# Altium PCB ipg_wearable.PcbDoc (part 2 of 2)
Units mm, origin at the board's own origin, x right, y up, seen from the top; angles counter-clockwise.
Board outline 60.5 x 38.75 mm, 4 copper layers (Top Layer, Int1 (GND), Int2 (PWR), Bottom Layer), stack 1.56 mm thick; 134 components, 126 nets, 508 pads, 196 vias.
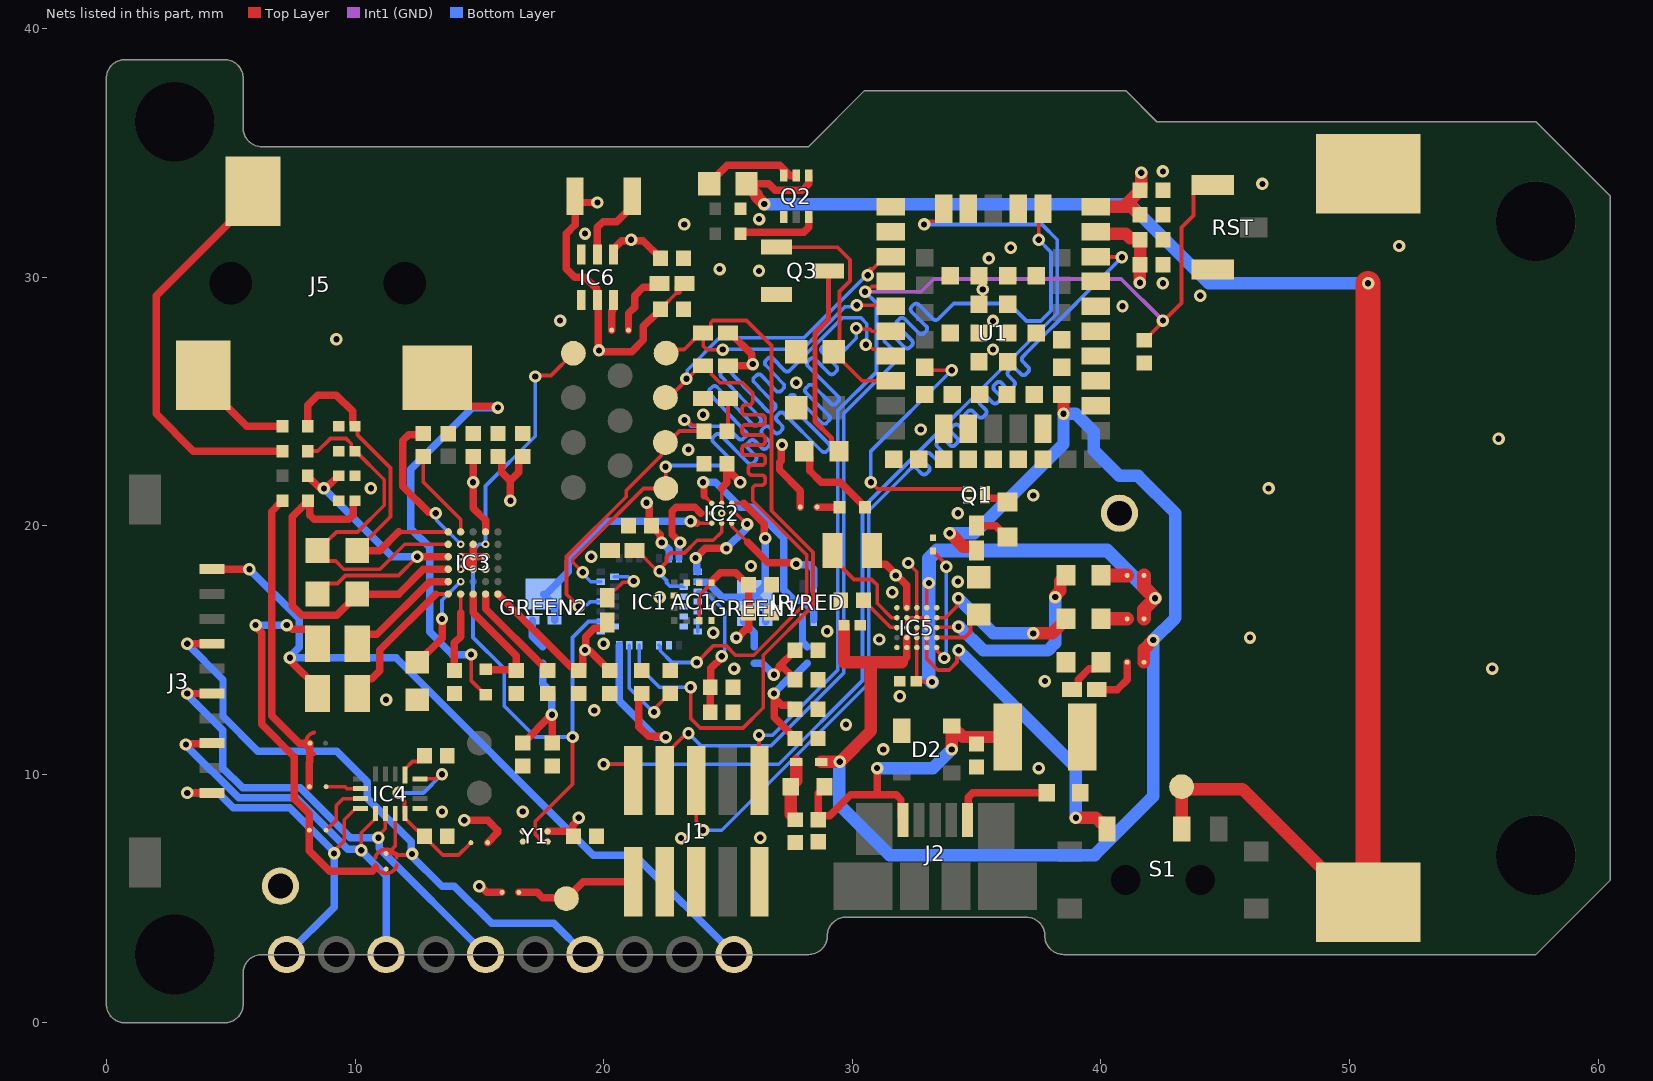
[diagram p4: the nets of this part, all layers, seen from the top]

## Via types
v1: diameter 0.5, hole 0.25, Top Layer to Bottom Layer, tented both sides, 187 vias
v2: diameter 0.305, hole 0.152, Top Layer to Bottom Layer, tented both sides, 9 vias

## Nets (pads, with @x,y where several pads share a name; then routed paths per layer and width w, separated by ;. In a path a pad name is that pad's centre, name@x,y a point inside that pad or via, vN(x,y) a via of type N, cw(c..) or ccw(c..) an arc to the next point about the centre after c; other vN are vias at no path point) (continued)
DRVN1: DB2.2 IC4.11 J3.4 pad.8 | length 26.4
  Top Layer w0.15: DB2.2@11.25,6.812 11.603,6.812 11.645,6.812 11.707,6.75 12.25,6.75 v1(12.296,6.796) ; 11.443,6.943 11.618,7.118 IC4.11@11.618,8.419
  Top Layer w0.3: v1(3.25,15.25) J3.4@4.25,15.25
  Bottom Layer w0.3: v1(3.25,15.25) 4.69,13.81 4.69,12.327 6.092,10.925 9.269,10.925 10.5,9.694 10.5,9.043 12.258,7.285 12.258,6.835 v1(12.296,6.796) ; v1@12.25,6.75 13.5,5.5 14,5.5 15.5,4 18,4 pad.8@19.25,2.75
DRVN2: IC4.10 J3.6 pad.6 | length 19.6
  Top Layer w0.15: v1(10.943,7.443) 10.943,7.538 11.218,7.813 IC4.10@11.218,8.419
  Top Layer w0.3: v1(3.25,13.25) J3.6@4.25,13.25
  Bottom Layer w0.3: v1(3.25,13.25) 3.25,13.201 4.687,11.764 4.687,10.25 5.481,9.456 7.794,9.456 9.807,7.443 v1(10.943,7.443) 10.981,7.405 10.981,7.019 pad.6@15.25,2.75
DRVN3: IC4.9 J3.8 pad.4 | length 16.2
  Top Layer w0.15: v1(10.25,6.943) 10.25,7.652 10.793,8.194 10.793,8.394 IC4.9@10.818,8.419
  Top Layer w0.3: v1(3.197,11.197) 3.223,11.223 4.223,11.223 J3.8@4.25,11.25
  Bottom Layer w0.3: v1(3.197,11.197) 3.197,11.175 5.315,9.056 7.628,9.056 9.703,6.981 10.212,6.981 v1(10.25,6.943) 10.25,6.917 11.25,5.917 pad.4@11.25,2.75
DRVN4: IC4.8 J3.10 pad.2 | length 15.2
  Top Layer w0.15: v1(9.159,6.819) 9.159,6.909 9.567,7.317 9.567,8.169 9.993,8.594 10.193,8.594 IC4.8@10.218,8.619
  Top Layer w0.3: v1(3.25,9.25) J3.10@4.25,9.25
  Bottom Layer w0.3: v1(3.25,9.25) 4.5,9.25 5.094,8.656 7.375,8.656 9.059,6.973 9.159,6.873 v1(9.159,6.819) 9.159,4.659 pad.2@7.25,2.75
DRVP: C37.1 J3.1 pad.11 | length 30.7
  Top Layer w0.3: J3.1@4.25,18.25 v1(5.75,18.25) ; v1(7.382,14.685) 7.42,14.646 7.42,14.544 8.49,13.474 C37.1@8.49,13.249
  Bottom Layer w0.3: v1(5.75,18.25) 7.75,16.25 7.75,15.106 7.42,14.777 7.42,14.699 v1@7.435,14.685 ; v1(7.382,14.685) v1@7.435,14.685 ; pad.11@25.25,2.75 21.25,6.75 19.584,6.75 11.649,14.685 v1@7.435,14.685
ECGN: J5.1 R8.1 | length 4.2
  Top Layer w0.3: J5.1@3.9,26.05 3.9,25.75 5.65,24 R8.1@7.078,24
ECGP: J5.3 R7.1 | length 16.3
  Top Layer w0.3: J5.3@5.9,33.45 5.9,33.15 2,29.25 2,24.5 3.5,23 R7.1@7.078,23
FCLK: FCLK.1 IC1.8 IC3.D5 Y1.2 | length 30.7
  Top Layer w0.15: v1(17.25,26) 17.288,26.038 17.884,26.038 FCLK.1@18.782,26.936 ; Y1.2@17.75,7.295 17.545,7.295 17.245,7.595 17.245,8.093 18.75,9.598 v1(18.75,11.5)
  Bottom Layer w0.15: v1(17.25,26) 17.25,23.599 15.25,21.599 v2(15.25,19.25) v2(15.25,19.25) 14.999,19.249 14.75,19 14.75,15.5 16,14.25 16,12.75 17.25,11.5 v1(18.75,11.5) 18.75,15.5 19.395,16.145 IC1.8@19.882,16.145
GND: AC1.4 AC1.8 AC1.9 AC1.11 BT.NEG C1.1 C2.1 C3.1 C4.1 C5.1 C6.1 C7.1 C8.1 C9.1 C10.1 C11.1 C12.1 C13.1 C14.1 C15.1 C16.1 C18.1 C19.1 C20.1 C21.1 C22.1 C23.1 C24.1 C25.1 C26.1 C29.1 C30.1 C31.1 C32.1 C34.1 C36.1 C38.1 C39.1 C40.1 C41.1 C42.1 C43.1 C44.1 C45.1 C46.1 C47.1 C48.1 C49.1 C50.1 D2.1 FB2.2 IC1.2 IC1.7 IC1.23 IC1.24 IC1.29 IC1.30 IC1.31 IC1.32 IC1.33 IC2.B2 IC3.B3 IC3.B4 IC3.C3 IC3.C4 IC3.C5 IC3.D4 IC4.13 IC5.A1 IC5.A5 IC5.B3 IC5.B4 IC5.C4 IC5.C5 IC5.D3 IC5.D4 IC5.E5 IC6.3 IC6.4 J1.3 J1.5 J1.9 pad.12@40.75,20.5 Q1.2 Q2.1 Q3.2 R5.1 R6.1 R11.1 R13.1 R18.1 R19.1 R20.1 RST.1 RT1.1 U1.6 U1.12 U1.14 U1.26 U1.30 U1.53 U1.56 U1.57 U1.58 U1.59 U1.60 U1.61 U1.62 U1.63 U1.64 U1.65 U1.66 U1.67 USB.1 Y1.1 Y1.4 | length 7
  Top Layer w0.15: IC5.B3@32.2,15.9 IC5.B4@32.2,16.3 IC5.C4@32.6,16.3 ; v1(32.25,18.5) 32.6,18.15 IC5.C5@32.6,16.7 IC5.C4@32.6,16.3 ; IC5.D3@33,15.9 IC5.D4@33,16.3 IC5.C4@32.6,16.3
  Top Layer w0.3: v2(14.25,18.25) 14.5,18.5 ; v2(14.25,18.75) IC3.C4@14.75,18.75 ; IC3.C5@14.75,19.25 IC3.C4@14.75,18.75 ; v2(15.25,18.75) IC3.C4@14.75,18.75 ; 14.5,18.5 IC3.C4@14.75,18.75 ; 14.5,18.5 IC3.C3@14.75,18.25 IC3.C4@14.75,18.75
  other v1: 23.115,7.433 26.301,7.449 13.5,8.5 16.75,8.5 37.5,10.25 31.25,11 29.75,12 19.621,12.571 11.25,13 31.918,13.138 37.75,13.75 25.25,14.25 55.75,14.25 20,15.25 31.088,15.421 46,15.5 24.41,15.691 28.988,15.75 22.25,17.12 31.609,17.318 34.25,17.75 25.929,18.378 19.5,18.75 34.25,20.5 37.283,21.217 10.637,21.503 46.75,21.5 23.409,23.059 56,23.5 32.757,23.868 24.001,24.465 27.75,25.75 35.662,27.088 9.25,27.5 35.662,28.235 18.25,28.25 40.871,28.827 44,29.25 35.25,29.5 42.5,29.75 26.25,30.25 24.666,30.322 35.5,30.75 36.376,31.179 52,31.25 19.25,31.75 23.244,32.12 26.253,32.331 46.5,33.75 42.5,34.25
  other v2: 24.75,20.5
GREEN1: GREEN1.1 GREEN1.3 IC1.21 IC2.C1 | length 8.6
  Top Layer w0.15: IC2.C1@25.15,20.9 25.64,20.9
  Top Layer w0.3: 25.64,20.9 26.462,20.079 26.462,19.538 v1(26.5,19.5)
  Bottom Layer w0.3: IC1.21@23.782,17.745 23.807,17.72 24.166,17.72 24.773,17.114 26.001,17.114 GREEN1.3@26.082,17.195 ; v1(26.5,19.5) 26.5,17.613 GREEN1.3@26.082,17.195 ; GREEN1.1@26.527,16.145 26.527,16.75 GREEN1.3@26.082,17.195
GREEN2: GREEN2.1 GREEN2.3 IC2.A3 | length 9.5
  Top Layer w0.15: 23.75,20.1 IC2.A3@24.35,20.1
  Top Layer w0.3: v1(23.5,20.175) 23.538,20.137 23.713,20.137 23.75,20.1
  Bottom Layer w0.3: GREEN2.1@18.027,16.195 18.027,16.8 GREEN2.3@17.582,17.245 17.682,17.245 18.581,18.144 18.581,18.581 20.175,20.175 v1(23.5,20.175)
IR: IC2.C3 IR/RED.4 | length 9.1
  Top Layer w0.15: 24.038,21.212 IC2.C3@24.35,20.9
  Top Layer w0.3: v1(24,21.75) 24.038,21.712 24.038,21.212
  Bottom Layer w0.3: v1(24,21.75) 24.5,21.75 25.5,20.75 26,20.75 27.25,19.5 27.25,17.426 27.676,17 27.983,17 28.451,16.533 IR/RED.4@28.451,16.22
LOW_BATT: Q3.1 R19.2 U1.23 | length 9.9
  Top Layer w0.15: Q3.1@26.95,31.205 29.401,31.205 29.912,30.694 29.912,29.844 29.488,29.42 29.488,27.238 R19.2@29.25,27 29.25,26.975 30.4,25.825 U1.23@31.55,25.825
MCU_LED: Q1.1 U1.41 | length 11
  Top Layer w0.15: v1(30.75,21.75) 31.025,21.475 Q1.1@34.65,21.475 ; U1.41@32.925,26.375 33.05,26.25 v1(34,26.25)
  Bottom Layer w0.15: v1(30.75,21.75) 30.75,23 v1(34,26.25)
Net5V_EN_1: 5V_EN.1 IC6.6 | length 1.3
  Top Layer w0.3: 5V_EN.1@20.325,27.865 20.325,28.622 20.375,28.672 20.375,29.06 IC6.6@20.4,29.085
Net5V_EN_2: 5V_EN.2 R14.2 | length 2.7
  Top Layer w0.3: 5V_EN.2@21.001,27.865 21.001,28.54 21.25,28.789 21.25,29.25 21.6,29.6 22.1,29.6 R14.2@22.25,29.75
NetC9_2: C9.2 IC1.5 | length 4.1
  Top Layer w0.15: v1(22.029,12.5) 22.096,12.567 22.096,12.684 22.662,13.25 C9.2@22.672,13.25
  Bottom Layer w0.15: IC1.5@21.032,15.195 21.032,13.468 22,12.5 v1(22.029,12.5)
NetC17_1: C17.1 R6.2 | length 1.3
  Top Layer w0.15: C17.1@24.961,23.805 25.001,23.845 R6.2@25.001,25.113
NetC26_2: C26.2 C28.2 IC3.A5 R7.2 | length 14.5
  Top Layer w0.15: R7.2@8.102,23 8.5,23 9.009,23.509 9.636,23.509 9.845,23.3 9.845,23.135 9.98,23 10.02,23 11.175,21.845 11.175,20.824 10.101,19.75 9.25,19.75 8.925,19.425 8.89,19.425 8.49,19.025 8.49,18.975 8.89,18.575 9.225,18.575 9.55,18.25 11,18.25 12,19.25 IC3.A5@13.75,19.25
NetC27_1: C27.1 IC3.B5 | length 5.9
  Top Layer w0.3: C27.1@12.75,23.71 12.706,23.666 12.166,23.666 11.911,23.411 11.911,21.589 12.962,20.538
  Bottom Layer w0.15: v1(13.25,20.5) 13.288,20.462 13.288,20.212 v2(14.25,19.25)
NetC27_2: C27.2 IC3.B6 | length 3.7
  Top Layer w0.15: C27.2@12.75,22.79 12.75,21.75 14.25,20.25 IC3.B6@14.25,19.75
NetC28_1: C28.1 C29.2 IC3.A6 R8.2 | length 13.8
  Top Layer w0.15: C29.2@9.903,24.097 10.097,23.903 10.097,23.653 11.425,22.325 11.425,20.36 10.09,19.025 C28.1@10.09,19 ; 11.75,19.75 IC3.A6@13.75,19.75
  Top Layer w0.3: R8.2@8.102,24 8.102,24.852 8.5,25.25 9.25,25.25 9.903,24.597 C29.2@9.903,24.097 ; C28.1@10.09,19 11,19 11.75,19.75
NetC30_2: C30.2 IC4.12 IC4.16 MUX_EN.2 | length 7.6
  Top Layer w0.15: v1(11.75,9.25) 11.75,9.155 11.993,8.912 11.993,8.444 IC4.12@12.018,8.419 12.018,8.219 12.502,7.735 12.565,7.735 12.79,7.51 C30.2@12.79,7.5 12.79,7.49 13.53,6.75 14.162,6.75 MUX_EN.2@14.662,7.25 ; IC4.16@12.618,9.819 13.225,9.819 13.405,10 v1(13.5,10)
  Bottom Layer w0.15: v1(11.75,9.25) 12.75,9.25 v1(13.5,10)
NetC31_2: C31.2 IC4.1 | length 1.2
  Top Layer w0.15: IC4.1@12.018,9.969 12.018,10.219 12.313,10.515 12.565,10.515 12.79,10.74 C31.2@12.79,10.75
NetC32_2: C32.2 C33.2 IC3.A4 R9.2 | length 12.2
  Top Layer w0.15: C33.2@8.49,17.25 8.49,17.275 8.89,17.675 9.293,17.675 9.618,18 11.75,18 v1(12.5,18.75)
  Top Layer w0.3: R9.2@8.102,22 8.102,21.987 v1@8.551,21.538 ; v1(8.75,21.5) 8.788,21.538 8.858,21.538 9.32,22 C32.2@9.34,22 ; v1(12.5,18.75) IC3.A4@13.75,18.75
  Bottom Layer w0.3: v1(8.75,21.5) 11.5,18.75 v1(12.5,18.75)
NetC33_1: C33.1 C34.2 IC3.A3 R10.2 | length 14.8
  Top Layer w0.3: C34.2@10,21 9.98,21 9.92,20.94 9.92,20.426 9.744,20.25 8.364,20.25 8.188,20.426 8.188,20.914 8.102,21 8.102,20.987 7.478,20.363 7.478,16.772 7.854,16.396 9.261,16.396 10.09,17.225 C33.1@10.09,17.25 11.75,17.25 12.75,18.25 IC3.A3@13.75,18.25
NetC35_1: C35.1 DB2.1 DB.1 | length 16
  Top Layer w0.3: v1(6,16) 6,15.946 6.248,15.698 6.248,12.012 7.562,10.697 7.562,9.011 8.162,8.411 DB.1@8.162,7.75 8.162,6.926 8.988,6.1 10.7,6.1 10.833,6.233 ; v1(7.25,16) 7.304,16 7.47,15.834 8.13,15.834 8.49,15.474 C35.1@8.49,15.249
  Bottom Layer w0.3: v1(6,16) v1(7.25,16)
NetC35_2: C35.2 IC3.A2 | length 4.7
  Top Layer w0.3: C35.2@10.09,15.249 10.09,15.264 10.45,15.624 10.874,15.624 13,17.75 IC3.A2@13.75,17.75
NetC37_2: C37.2 IC3.A1 | length 5.9
  Top Layer w0.15: 13.25,17.25 IC3.A1@13.75,17.25
  Top Layer w0.3: C37.2@10.09,13.249 10.09,13.474 10.45,13.834 10.675,13.834 11,14.159 11,15 13.25,17.25
NetC41_2: C41.2 IC5.A3 | length 1.8
  Top Layer w0.15: C41.2@30.46,17 30.46,16.99 31.536,15.914 31.786,15.914 IC5.A3@31.8,15.9
NetC46_2: C46.2 C48.2 C49.2 D2.4 FB1.1 J2.1 | length 13.9
  Top Layer w0.3: FB1.1@28.879,9.496 28.879,9.471 28.642,9.233 C46.2@28.642,8.179 28.802,8.339 29.089,8.339 29.931,9.181 31,9.181 ; v1(31,10.25) 31,9.181 ; J2.1@32.037,8.16 31.962,8.235 31.962,8.986 31.767,9.181 31,9.181
  Top Layer w0.5: v1(34,11) D2.4@34,11.95 34.05,11.95 34.1,11.9 34.1,11.85 34.45,11.5 C48.2@36.25,11.5
  Bottom Layer w0.5: v1(31,10.25) 33.25,10.25 v1(34,11)
NetC47_2: C47.2 D1.2 FB1.2 | length 2.5
  Top Layer w0.5: C47.2@27.701,8.17 27.691,8.17 27.641,8.22 27.641,8.284 27.529,8.396 27.529,9.521 27.75,9.742 D1.2@27.75,10.5
NetCHG_1: CHG.1 IC5.E4 | length 6.5
  Top Layer w0.15: IC5.E4@33.4,16.3 33.756,16.3 34.203,16.748 34.203,17.011 v1(34.27,17.078)
  Top Layer w0.5: v1(37.278,15.667) 38.038,15.667 38.603,16.232 CHG.1@38.603,16.257
  Bottom Layer w0.5: v1(34.27,17.078) 35.681,15.667 v1(37.278,15.667)
NetCHG_2: CHG.2 SB10.1 | length 1.1
  Top Layer w0.55: CHG.2@40,16.257 40.005,16.253 SB10.1@41.06,16.253
NetDA2_2: DA2.2 DA.1 R10.1 | length 12.4
  Top Layer w0.3: R10.1@7.078,21 7.078,20.987 6.991,20.9 6.978,20.9 6.648,20.57 6.648,15.668 6.65,15.666 6.65,12.35 7.75,11.25 8.013,11.25 ; DA.1@8.162,9.5 8.162,10.475 8.188,10.5 8.188,10.897 DA2.2@8.188,11.25
NetDA_2: DA.2 IC4.6 | length 1.4
  Top Layer w0.15: DA.2@8.838,9.5 9.222,9.5 9.594,9.5 9.674,9.419 IC4.6@10.218,9.419
NetDB_2: DB.2 IC4.7 | length 2.3
  Top Layer w0.15: DB.2@8.838,7.75 9.25,8.162 9.25,8.75 9.519,9.019 IC4.7@10.218,9.019
NetERR_1: ERR.1 IC5.E3 | length 8.2
  Top Layer w0.15: IC5.E3@33.4,15.9 33.414,15.914 34.253,15.914 v1(34.27,15.931)
  Top Layer w0.5: v1(38.165,17.128) 38.165,17.182 38.372,17.388 38.372,17.773 ERR.1@38.603,18.004
  Bottom Layer w0.5: v1(34.27,15.931) 34.324,15.931 35.276,14.98 37.871,14.98 38.164,15.273 v1@38.164,17.124
NetERR_2: ERR.2 SB9.1 | length 1.1
  Top Layer w0.55: ERR.2@40,18.004 40.005,17.999 SB9.1@41.06,17.999
NetFB2_1: FB2.1 J2.5 | length 4.2
  Top Layer w0.3: J2.5@34.637,8.16 34.675,8.197 34.675,9.074 34.85,9.25 FB2.1@37.825,9.25
NetGR1_2: GR1.2 GREEN1.2 | length 1.2
  Bottom Layer w0.3: GREEN1.2@25.637,16.145 25.737,16.145 25.737,16.013 26.054,15.696 GR1.2@26.054,15.137
NetGR2_2: GR2.2 GREEN2.2 | length 1.2
  Bottom Layer w0.3: GREEN2.2@17.137,16.195 17.137,15.554 GR2.2@17.554,15.137
NetIC1_19: IC1.19 IC2.B3 | length 3.8
  Top Layer w0.15: 23.916,20.5 IC2.B3@24.35,20.5
  Top Layer w0.3: v1(23.075,19.324) 22.75,19.649 22.75,20.574 22.926,20.75 23.666,20.75 23.916,20.5
  Bottom Layer w0.3: IC1.19@23.032,18.695 23.032,19.227 23.075,19.27 v1(23.075,19.324)
NetIC1_20: IC1.20 IC2.B1 | length 4.1
  Top Layer w0.15: IC2.B1@25.15,20.5 25.316,20.5 v1@25.754,20.062
  Top Layer w0.3: v1(23.699,18.699) 24.087,19.087 v1(24.939,19.087) ; v1@25.754,20.062 v1(25.771,20.062)
  Bottom Layer w0.3: v1(23.699,18.699) 23.741,18.658 23.741,18.186 IC1.20@23.782,18.145 ; v1(24.939,19.087) 25.733,19.881 25.733,20.024 v1(25.771,20.062)
NetIC1_25: IC1.25 IC1.26 | length 0.4
  Bottom Layer w0.15: IC1.26@23.782,15.745 IC1.25@23.782,16.145
NetIC1_28: IC1.28 IC2.A2 R5.2 | length 6.3
  Top Layer w0.15: R5.2@21.25,19 21.35,19 22.101,18.249 v1@22.249,18.249 ; v1(22.25,18.17) 22.25,18.25 22.25,18.264 22.529,18.543 22.529,18.746 22.683,18.899 23.251,18.899 23.764,19.412 24.412,19.412 24.75,19.75 IC2.A2@24.75,20.1
  Bottom Layer w0.15: v1(22.25,18.17) 22.25,18.075 22.529,17.796 22.529,17.712 22.673,17.568 23.204,17.568 IC1.28@23.227,17.545
NetIC1_38: IC1.38 R2.1 | length 2.2
  Top Layer w0.15: R2.1@20.147,17.101 20.147,17.201 20.372,17.426 20.472,17.426 20.765,17.719 21.159,17.719 v1(21.209,17.769)
  Bottom Layer w0.15: IC1.38@20.437,17.945 20.988,17.945 21.164,17.769 v1(21.209,17.769)
NetIC5_A4: IC5.A4 L1.1 | length 4.3
  Top Layer w0.15: L1.1@29.2,19 29.2,18.7 30.068,17.832 30.781,17.832 31.003,17.609 31.003,16.882 31.585,16.3 IC5.A4@31.8,16.3
NetIC5_D1: IC5.D1 IC5.D2 S1.1 | length 13.1
  Top Layer w0.15: IC5.D1@33,15.1 IC5.D2@33,15.5 ; IC5.D1@33.004,15.096 33.004,14.636 33.441,14.198 33.9,14.198 34.219,14.517 34.219,14.922 v1(34.286,14.989)
  Top Layer w0.5: v1(39,8.25) 39.8,8.25 40,8.05 40.15,8.05 40.25,7.95 S1.1@40.25,7.8
  Bottom Layer w0.5: v1(34.286,14.989) 39,10.274 v1(39,8.25)
NetIC5_E1: IC5.E1 RT1.2 | length 5.1
  Top Layer w0.15: RT1.2@33.25,18.987 33.25,18.975 33.78,18.444 v1(33.78,18.35) ; IC5.E1@33.4,15.1 33.414,15.086 33.414,14.97 v1(33.706,14.678)
  Bottom Layer w0.15: v1(33.706,14.678) 33.773,14.745 33.773,14.933 33.78,14.941 v1(33.78,18.35)
NetIC5_E2: IC5.E2 R13.2 | length 2.1
  Top Layer w0.15: IC5.E2@33.4,15.5 34.539,15.5 34.757,15.718 34.757,16.055 34.952,16.25 R13.2@35,16.25
NetIC6_2: IC6.2 L2.2 | length 3.2
  Top Layer w0.3: IC6.2@19.75,30.915 19.75,32 19.976,32.226 20.526,32.226 21.15,32.85 L2.2@21.15,33.25
NetIR/RED_3: IR/RED.3 RED/IR.2 | length 1.2
  Bottom Layer w0.3: IR/RED.3@28.001,16.22 28.001,15.334 RED/IR.2@28.198,15.137
NetJ1_1: J1.1 SWD_VDD.1 V_Debug.1 | length 5
  Top Layer w0.3: SWD_VDD.1@16.588,5.25 17.324,5.25 17.55,5.024 18.476,5.024 V_Debug.1@18.5,5 19.18,5.68 J1.1@21.19,5.68
NetLWBAT_1: LWBAT.1 Q3.3 | length 7.9
  Top Layer w0.2: Q3.3@29.05,30.25 29.05,28.3 28.5,27.75 28.5,24.192 29.161,23.531 29.161,23.42 29.186,23.395 29.186,23.278 LWBAT.1@29.467,22.997
NetLWBAT_2: LWBAT.2 R16.1 | length 3.7
  Top Layer w0.3: LWBAT.2@28.07,22.997 28.301,22.766 28.301,22.199 28.75,21.75 29.524,21.75 30.512,20.762 R16.1@30.512,20.75
NetQ1_3: Q1.3 TEST.1 | length 1.1
  Top Layer w0.3: Q1.3@35.35,21.25 35.35,21.149 35.4,21.099 36.099,21.099 TEST.1@36.25,20.948
NetQ2_3: Q2.3 R17.2 | length 3.3
  Top Layer w0.3: R17.2@25.512,31.75 25.56,31.798 28.048,31.798 28.25,32 Q2.3@28.25,32.416
NetQ2_5: Q2.5 Q2.6 R15.1 | length 4
  Top Layer w0.3: R15.1@24.25,33.75 24.25,33.775 24.975,34.5 27.084,34.5 27.5,34.084 Q2.5@27.75,34.084
NetR1_1: R1.1 TEST.2 | length 1.4
  Top Layer w0.3: R1.1@35,20 35.776,20 36.225,19.552 TEST.2@36.25,19.552
NetR16_2: R16.2 SB15.1 | length 0.9
  Top Layer w0.3: SB15.1@28.588,20.75 R16.2@29.488,20.75
NetR21_1: R21.1 USB.2 | length 1.8
  Top Layer w0.3: R21.1@38.835,13.402 38.935,13.402 39.085,13.552 39.085,13.8 39.538,14.254 39.769,14.254 40,14.485 USB.2@40,14.511
NetR21_2: R21.2 SB12.2 | length 2.1
  Top Layer w0.3: R21.2@39.835,13.402 40.652,13.402 41.06,13.81 SB12.2@41.06,14.506
P0.03: U1.16
P0.05: U1.27
P0.06: U1.43
P0.07: U1.45
P0.11: U1.32
P0.12: U1.46
P0.14: U1.2
P0.15: U1.3
P0.16: U1.4
P0.17: U1.51
P0.19: U1.52
P0.20: U1.50
P0.21: U1.48
P0.22: U1.49
P0.23: U1.47
P0.24: U1.5
P0.25: U1.7
P0.26: U1.42
P0.27: U1.44
P0.28: U1.17
P1.09: U1.33
PPG_INT: IC1.12 PPG_INT.1 U1.21 | length 38.1
  Top Layer w0.15: v1(19.163,18.124) 18.757,18.53 18.757,18.654 21.604,21.5 PPG_INT.1@22.5,21.5 22.496,21.504 22.496,22.364 v1(22.492,22.368) ; v1(30.163,27.944) 30.209,27.898 30.713,27.898 30.787,27.825 U1.21@31.55,27.825
  Bottom Layer w0.15: v1(19.163,18.124) 19.163,18.064 19.482,17.745 IC1.12@19.882,17.745 ; v1(22.492,22.368) 22.55,22.425 25.032,22.425 25.052,22.425 25.095,22.468 ccw(c24.989,22.574) 25.095,22.68 24.411,23.364 cw(c24.511,23.464) 24.411,23.564 24.496,23.65 cw(c24.596,23.55) 24.696,23.65 25.821,22.525 ccw(c25.921,22.625) 26.021,22.525 26.107,22.611 ccw(c26.007,22.711) 26.107,22.811 25.798,23.119 cw(c25.898,23.219) 25.798,23.319 25.884,23.405 cw(c25.984,23.305) 26.084,23.405 26.364,23.125 ccw(c26.464,23.225) 26.564,23.125 26.65,23.21 ccw(c26.55,23.31) 26.65,23.41 26.385,23.676 cw(c26.485,23.776) 26.385,23.876 26.47,23.961 cw(c26.57,23.861) 26.67,23.961 26.878,23.754 ccw(c26.978,23.854) 27.078,23.754 27.163,23.84 ccw(c27.063,23.939) 27.163,24.039 26.971,24.232 cw(c27.071,24.332) 26.971,24.432 27.057,24.518 cw(c27.157,24.418) 27.257,24.518 28.778,22.997 ccw(c28.878,23.097) 28.977,22.997 29.063,23.082 ccw(c28.963,23.182) 29.063,23.282 27.406,24.939 cw(c27.506,25.039) 27.406,25.139 27.492,25.225 cw(c27.592,25.125) 27.692,25.225 28.778,24.139 ccw(c28.878,24.239) 28.977,24.139 29.063,24.225 ccw(c28.963,24.325) 29.063,24.425 28.145,25.344 cw(c28.245,25.444) 28.145,25.544 28.23,25.629 cw(c28.33,25.529) 28.43,25.629 29.15,24.91 ccw(c29.249,25.01) 29.349,24.91 29.435,24.996 ccw(c29.335,25.096) 29.435,25.196 28.217,26.414 cw(c28.317,26.514) 28.217,26.614 28.303,26.699 cw(c28.403,26.599) 28.503,26.699 29.076,26.127 ccw(c29.176,26.227) 29.276,26.127 29.361,26.212 ccw(c29.261,26.312) 29.361,26.412 28.789,26.985 cw(c28.889,27.085) 28.789,27.185 28.874,27.271 cw(c28.974,27.171) 29.074,27.271 29.38,26.965 ccw(c29.486,27.071) 29.592,26.965 30.043,27.416 30.163,27.536 v1(30.163,27.944)
PPG_RESET: C17.2 IC1.10 PPG_RST.1 U1.22 | length 38
  Top Layer w0.15: v1(19,16.75) 18.507,17.243 18.507,18.757 20.913,21.163 20.913,21.413 22.322,22.822 22.322,23.186 PPG_RST.1@22.485,23.349 22.597,23.349 23.054,23.805 C17.2@24.041,23.805 24.041,23.815 23.816,24.04 23.554,24.04 23.345,24.25 v1(23.25,24.25) ; v1(30.551,27.278) 30.646,27.278 30.824,27.1 31.275,27.1 U1.22@31.55,26.825
  Bottom Layer w0.15: v1(19,16.75) 19.067,16.817 19.344,16.817 19.472,16.945 IC1.10@19.882,16.945 ; v1(23.25,24.25) 23.263,24.25 23.513,24 23.978,24 24.884,24 cw(c24.884,23.85) 24.993,23.953 25.42,23.504 ccw(c25.522,23.601) 25.62,23.499 25.708,23.582 ccw(c25.61,23.685) 25.713,23.782 24.277,25.296 cw(c24.379,25.393) 24.282,25.495 24.37,25.579 cw(c24.467,25.476) 24.57,25.574 26.006,24.06 ccw(c26.108,24.157) 26.206,24.055 26.294,24.138 ccw(c26.196,24.241) 26.299,24.338 24.735,25.986 cw(c24.838,26.083) 24.74,26.186 24.828,26.269 cw(c24.926,26.167) 25.028,26.264 26.592,24.616 ccw(c26.695,24.714) 26.792,24.611 26.88,24.694 ccw(c26.782,24.797) 26.885,24.894 26.057,25.767 cw(c26.159,25.864) 26.062,25.967 26.15,26.05 cw(c26.247,25.948) 26.35,26.045 26.935,25.429 ccw(c27.037,25.526) 27.135,25.424 27.222,25.507 ccw(c27.125,25.61) 27.228,25.707 26.522,26.45 cw(c26.625,26.548) 26.528,26.65 26.615,26.734 cw(c26.713,26.631) 26.815,26.728 27.276,26.243 ccw(c27.384,26.347) 27.491,26.241 28.183,26.933 29.619,28.369 30.339,28.369 30.588,28.12 30.588,27.315 v1(30.551,27.278)
PPG_SCL: IC1.3 R4.1 SCL.1 U1.18 | length 38
  Top Layer w0.15: SCL.1@22.485,25.156 22.625,25.156 v1@23.355,25.885 ; v1(23.332,25.908) 23.377,25.908 R4.1@23.901,26.432 ; v1(23.75,14.5) 24.425,15.175 24.926,15.175 25.309,14.792 26.042,14.792 28.175,16.925 28.175,18.825 26,21 26,21.479 cw(c26.15,21.479) 26.15,21.629 26.359,21.629 ccw(c26.359,21.77) 26.5,21.77 26.5,21.892 ccw(c26.359,21.892) 26.359,22.033 25.959,22.033 cw(c25.959,22.174) 25.818,22.174 25.818,22.296 cw(c25.959,22.296) 25.959,22.437 26.359,22.437 ccw(c26.359,22.578) 26.5,22.578 26.5,22.7 ccw(c26.359,22.7) 26.359,22.841 25.711,22.841 cw(c25.711,22.982) 25.569,22.982 25.569,23.104 cw(c25.711,23.104) 25.711,23.245 26.359,23.245 ccw(c26.359,23.386) 26.5,23.386 26.5,23.508 ccw(c26.359,23.508) 26.359,23.649 25.711,23.649 cw(c25.711,23.79) 25.569,23.79 25.569,23.912 cw(c25.711,23.912) 25.711,24.053 26.359,24.053 ccw(c26.359,24.194) 26.5,24.194 26.5,24.316 ccw(c26.359,24.316) 26.359,24.457 25.711,24.457 cw(c25.711,24.598) 25.569,24.598 25.569,24.72 cw(c25.711,24.72) 25.711,24.861 25.85,24.861 ccw(c25.85,25.011) 26,25.011 26,25.25 26,25.342 25.592,25.75 24.683,25.75 24.326,26.107 24.326,26.207 24.101,26.432 R4.1@24.001,26.432 ; v1(30.625,30.075) 30.692,30.142 30.692,30.316 30.702,30.326 30.826,30.326 31.325,30.825 U1.18@31.55,30.825 ; R4.1@23.901,26.432 R4.1@24.001,26.432 ; R4.1@23.901,26.432 R4.1@24.001,26.432
  Bottom Layer w0.15: IC1.3@22.232,15.195 22.282,15.145 22.282,14.968 22.75,14.5 v1(23.75,14.5) ; v1(23.332,25.908) 23.361,25.937 23.361,26.25 24.675,27.564 28.07,27.564 30.58,30.075 v1(30.625,30.075)
PPG_SDA: IC1.4 R3.1 SDA.1 U1.20 | length 38.2
  Top Layer w0.15: SDA.1@22.514,26.942 22.66,27.088 23.239,27.088 23.901,27.75 R3.1@24.001,27.75 24.081,27.75 24.306,27.975 24.306,28.163 24.394,28.251 25.749,28.251 26.75,27.25 26.75,20.604 28.425,18.929 28.425,16.791 26.425,14.791 26.425,12.675 25.609,11.859 23.891,11.859 23.5,12.25 v1(23.5,13.5) ; R3.1@24.008,27.743 24.008,27.225 24.152,27.082 v1(24.794,27.082) ; v1(30.179,28.866) 31.509,28.866 U1.20@31.55,28.825
  Bottom Layer w0.15: IC1.4@21.432,15.195 21.432,14.318 22.25,13.5 v1(23.5,13.5) ; v1(24.794,27.082) 24.811,27.099 27.996,27.099 29.704,28.808 30.12,28.808 v1(30.179,28.866)
RBIAS: IC3.B2 R11.2 | length 4
  Top Layer w0.3: R11.2@12.5,14.5 12.525,14.5 13.5,15.475 v1(13.5,16.25)
  Bottom Layer w0.15: v1(13.5,16.25) 13.5,17 v2(14.25,17.75)
RED: IC2.A1 IR/RED.2 | length 4.8
  Top Layer w0.15: IC2.A1@25.15,20.1 25.15,19.976 25.794,19.332
  Top Layer w0.3: 25.794,19.332 26.626,18.5 27.712,18.5 v1(27.75,18.462)
  Bottom Layer w0.3: v1(27.75,18.462) 27.788,18.424 28.272,18.424 28.451,18.245 IR/RED.2@28.451,17.57
REF: J5.2 R12.1 | length 18.3
  Top Layer w0.15: v1(14.67,14.817) 14.67,13.777 15.249,13.198 R12.1@15.261,13.198
  Top Layer w0.3: J5.2@13.3,25.95 14.45,24.8 15.646,24.8 15.696,24.75 v1(15.75,24.75)
  Bottom Layer w0.3: v1(14.67,14.817) 13.911,14.817 13,15.728 13,19.128 12.25,19.878 12.25,22.278 14.722,24.75 v1(15.75,24.75)
RESET: C50.2 J1.10 RST.2 U1.19 | length 43.9
  Top Layer w0.15: v1(26.25,11.575) 26.25,9.77 J1.10@26.27,9.75 ; v1(30.518,29.412) 30.572,29.412 30.785,29.625 31.35,29.625 U1.19@31.55,29.825 ; C50.2@41.75,27.46 41.76,27.46 42.5,28.2 v1(42.5,28.25) 42.54,28.25 43.25,28.96 43.25,32 43.725,32.475 43.725,33.375 44.05,33.7 RST.2@44.5,33.7
  Int1 (GND) w0.15: v1(30.518,29.412) 32.763,29.412 33.276,29.925 40.821,29.925 42.496,28.25 v1(42.5,28.25)
  Bottom Layer w0.15: v1(26.25,11.575) 26.807,11.575 29.413,14.181 29.413,24.62 30.976,26.183 30.976,28.953 v1(30.518,29.412)
SWDCLK: J1.4 U1.11 | length 41.1
  Top Layer w0.15: J1.4@22.46,9.75 22.46,10.775 23.334,11.649 v1(23.415,11.649) ; v1(37.5,31.5) 37.5,32.575 U1.11@37.675,32.75
  Bottom Layer w0.15: v1(23.415,11.649) 23.914,11.15 26.736,11.15 29.663,14.077 29.663,24.517 31.198,26.052 31.823,26.676 ccw(c31.717,26.782) 31.823,26.888 31.326,27.385 cw(c31.426,27.485) 31.326,27.585 31.412,27.67 cw(c31.512,27.57) 31.612,27.67 32.114,27.168 ccw(c32.214,27.268) 32.314,27.168 32.4,27.254 ccw(c32.3,27.354) 32.4,27.454 31.818,28.035 cw(c31.918,28.135) 31.818,28.235 31.904,28.321 cw(c32.004,28.221) 32.104,28.321 32.686,27.739 ccw(c32.786,27.839) 32.886,27.739 32.971,27.825 ccw(c32.871,27.925) 32.971,28.025 32.39,28.607 cw(c32.49,28.707) 32.39,28.807 32.475,28.892 cw(c32.575,28.792) 32.675,28.892 33.251,28.317 ccw(c33.357,28.423) 33.463,28.317 33.575,28.429 34.087,28.94 36.31,28.94 37.015,28.235 37.586,28.235 38,28.649 38,31 v1(37.5,31.5)
SWDIO: J1.2 U1.15 | length 41.4
  Top Layer w0.15: v1(20,10.4) 20.895,10.4 20.895,10.5 21.19,10.205 J1.2@21.19,9.75 ; v1(32.892,32.118) 32.987,32.118 33.119,32.25 33.4,32.25 33.675,32.525 U1.15@33.675,32.75
  Bottom Layer w0.15: v1(20,10.4) 27.046,10.4 30.413,13.767 30.413,20.709 38.25,28.545 38.25,31.5 37.632,32.118 v1(32.892,32.118)
SWO: J1.6 U1.8 | length 41.1
  Top Layer w0.15: J1.6@23.73,9.75 23.73,8.115 24,7.845 v1(24,7.75) ; U1.8@39.8,30.825 39.815,30.81 40.833,30.81 v1(40.848,30.795)
  Bottom Layer w0.15: v1(24,7.75) 24.75,7.75 30.663,13.663 30.663,20.605 32.029,21.971 32.368,22.31 cw(c32.474,22.204) 32.58,22.31 32.791,22.098 ccw(c32.891,22.198) 32.991,22.098 33.077,22.184 ; 33.077,22.184 ccw(c32.977,22.284) 33.077,22.384 ; 33.077,22.384 32.86,22.601 cw(c32.959,22.701) 32.86,22.801 32.945,22.887 cw(c33.045,22.787) 33.145,22.887 33.362,22.67 ccw(c33.462,22.77) 33.562,22.67 33.648,22.756 ccw(c33.548,22.855) 33.648,22.955 33.431,23.173 cw(c33.531,23.273) 33.431,23.373 33.517,23.458 cw(c33.617,23.358) 33.717,23.458 33.934,23.241 ccw(c34.034,23.341) 34.134,23.241 34.219,23.327 ccw(c34.119,23.427) 34.219,23.527 34.002,23.744 cw(c34.102,23.844) 34.002,23.944 34.088,24.03 cw(c34.188,23.93) 34.288,24.03 34.505,23.812 ccw(c34.605,23.912) 34.705,23.812 34.791,23.898 ccw(c34.691,23.998) 34.791,24.098 34.574,24.315 cw(c34.674,24.415) 34.574,24.515 34.659,24.601 cw(c34.759,24.501) 34.859,24.601 35.076,24.384 ccw(c35.176,24.484) 35.276,24.384 35.362,24.47 ccw(c35.262,24.57) 35.362,24.669 35.145,24.887 cw(c35.245,24.987) 35.145,25.087 35.231,25.172 cw(c35.331,25.072) 35.431,25.172 35.648,24.955 ccw(c35.748,25.055) 35.848,24.955 35.933,25.041 ccw(c35.833,25.141) 35.933,25.241 35.716,25.458 cw(c35.816,25.558) 35.716,25.658 35.802,25.744 cw(c35.902,25.644) 36.002,25.744 36.219,25.527 ccw(c36.319,25.626) 36.419,25.527 36.505,25.612 ccw(c36.405,25.712) 36.505,25.812 36.288,26.029 cw(c36.388,26.129) 36.288,26.229 36.373,26.315 cw(c36.473,26.215) 36.573,26.315 36.79,26.098 ccw(c36.89,26.198) 36.99,26.098 37.076,26.184 ccw(c36.976,26.284) 37.076,26.384 36.865,26.595 cw(c36.971,26.701) 36.865,26.807 37.065,27.007 39,28.942 39,28.948 v1(40.848,30.795)
VBAT: BT.POS Q2.4 R15.2 S1.2 VBAT.1 | length 65.8
  Top Layer w0.3: R15.2@25.75,33.75 26.65,33.75 26.9,33.5 28,33.5 28.25,33.75 Q2.4@28.25,34.084
  Top Layer w0.5: R15.2@25.75,33.75 25.75,33.725 26.154,33.321 26.154,33.241 v1(26.458,32.937) ; VBAT.1@43.199,9.404 45.696,9.404 50.3,4.8 BT.POS@50.75,4.8 ; S1.2@43.25,7.8 VBAT.1@43.25,9.42
  Top Layer w1: BT.POS@50.75,4.8 v1(50.75,29.75)
  Bottom Layer w0.5: v1(26.458,32.937) 41.162,32.937 44.349,29.75 v1(50.75,29.75)
VBG: C39.2 IC3.B1 | length 3.2
  Top Layer w0.15: 14.25,16.5 IC3.B1@14.25,17.25
  Top Layer w0.3: C39.2@14,14.17 14,15.285 14.25,15.535 14.25,16.5
VBUS: C42.2 D1.1 IC5.B1 IC5.B2 R1.2 SB12.1 U1.31 | length 56.8
  Top Layer w0.15: 29.67,14.5 C42.2@29.67,16
  Top Layer w0.3: 32,14.5 32.2,14.7 IC5.B1@32.2,15.1 IC5.B2@32.2,15.5
  Top Layer w0.5: D1.1@28.75,10.5 v1(29.5,10.5) 30.75,11.75 30.75,14.5 ; C42.2@29.67,16 29.67,14.5 30.75,14.5 ; 32,14.5 30.75,14.5 ; v1(33.926,19.699) 34.474,19.15 34.95,19.15 35,19.1 R1.2@35,19 ; U1.31@38.425,25.275 38.5,25.2 v1(38.5,24.5) ; SB12.1@41.736,14.506 41.736,15.027 v1(42.106,15.397)
  Bottom Layer w0.5: v1(29.5,10.5) 29.481,10.481 29.481,8.769 31.5,6.75 39.75,6.75 42.106,9.106 v1(42.106,15.397) 43,16.291 43,20.5 41.5,22 40.75,22 39.71,23.04 39.71,23.79 39,24.5 v1(38.5,24.5) 38.5,23.283 34.916,19.699 v1(33.926,19.699)
VCM: C38.2 IC3.C1 R12.2 | length 5
  Top Layer w0.3: IC3.C1@14.75,17.25 14.75,16.5 16.479,14.771 C38.2@16.479,14.17 16.453,14.196 15.287,14.196 R12.2@15.261,14.222
VDD: AC1.3 AC1.7 C1.2 C2.2 C3.2 C4.2 C5.2 C6.2 C7.2 C12.2 C13.2 C14.2 C20.2 C21.2 C22.2 C23.2 C24.2 C25.2 C44.2 IC1.6 IC1.22 IC2.C2 IC3.D3 IC3.D6 IC3.E1 IC5.B5 IC6.5 L1.2 L2.1 MUX_EN.1 pad.12@7,5.5 R2.2 R3.2 R4.2 R14.1 SWD_VDD.2 U1.9 U1.10 Y1.3 | length 68.7
  Top Layer w0.15: C44.2@22.29,28.719 23,29.429 ; AC1.3@23.845,16.182 23.845,17.195 24.345,17.695 AC1.7@24.345,17.708 ; IC2.C2@24.75,20.9 24.75,21.508
  Top Layer w0.3: v1(14.396,8.151) 15.336,8.151 15.748,7.74 15.748,7.66 MUX_EN.1@15.338,7.25 ; C25.2@14.75,22.79 v1(14.75,21.75) 14.75,20.71 15.25,20.21 IC3.D6@15.25,19.75 ; v1(15,5.5) 15.054,5.5 15.304,5.25 SWD_VDD.2@15.912,5.25 ; IC3.E1@15.75,17.25 18.68,14.32 18.85,14.32 C21.2@19,14.17 19.01,14.17 19.16,14.32 19.16,14.856 19.25,14.946 v1@19.25,14.973 ; C24.2@15.75,22.79 15.76,22.79 15.91,22.64 15.91,22.144 16.25,21.804 ; v1(16.25,21) 16.25,21.804 ; C23.2@16.75,22.79 16.74,22.79 16.59,22.64 16.59,22.144 16.25,21.804 ; Y1.3@17.75,7.705 18.585,7.705 18.589,7.701 18.716,7.701 18.75,7.735 18.75,7.946 19,8.196 v1(19,8.25) ; C20.2@18.653,7.638 C20.2@18.79,7.5 ; L2.1@18.85,33.25 L2.1@18.85,33.2 ; v1(19.75,33) 19.05,33 L2.1@18.85,33.2 ; R2.2@20.147,16.101 20.147,16.031 19.997,15.881 19.631,15.881 19.288,15.538 19.288,15.038 v1(19.25,15) v1@19.25,14.973 ; C22.2@20.25,14.17 20.24,14.17 19.437,14.973 v1@19.25,14.973 ; C7.2@21.529,13.25 21.419,13.14 21.419,11.92 21.806,11.533 22.462,11.533 v1(22.5,11.495) ; C44.2@22.29,28.719 22.29,28.699 22.14,28.549 22.13,28.549 21.602,28.021 21.602,27.471 21.124,26.992 20.013,26.992 19.993,27.012 19.851,27.012 19.775,27.088 19.775,29.06 19.725,29.11 19.725,29.525 19.25,30 18.835,30 18.5,30.335 18.5,31.75 18.85,32.1 L2.1@18.85,33.2 ; 23,29.429 23,29.6 R14.1@23.15,29.75 ; C6.2@24.29,12.5 C5.2@24.29,13.5 24.314,13.524 24.314,14.26 24.75,14.696 v1(24.75,14.75) ; AC1.7@24.345,17.708 24.345,17.759 24.699,18.114 25.323,18.114 25.829,17.607 C13.2@25.829,16.528 ; 24.75,21.508 24.961,21.719 C12.2@24.961,22.289 ; C12.2@24.961,22.487 C12.2@24.961,22.289 ; R4.2@25.001,26.432 25.878,26.432 25.946,26.5 v1(26,26.5) 25.962,26.538 25.962,26.889 25.101,27.75 R3.2@25.001,27.75 ; v1(25.342,15.5) 25.396,15.5 25.726,15.83 25.83,15.83 C13.2@25.83,16.5 ; v1(25.5,21.75) C12.2@24.961,22.289 ; v1(31.75,18) v1@31.75,18.05 ; IC5.B5@32.2,16.7 32.2,17.6 v1@31.75,18.05 ; L1.2@30.8,18.7 L1.2@30.8,19 L1.2@30.8,18.7 ; L1.2@30.8,18.7 L1.2@31.05,18.45 ; L1.2@30.8,18.7 L1.2@31.05,18.45 ; L1.2@31.05,18.45 31.35,18.45 ; L1.2@31.05,18.45 31.35,18.45 ; 31.35,18.45 v1@31.75,18.05
  Top Layer w0.5: R14.1@23.15,29.75 R14.1@23.25,29.75 R14.1@23.35,29.75 ; U1.9@39.8,31.825 39.875,31.75 41,31.75 41.19,31.56 41.53,31.56 41.58,31.51 C3.2@41.58,31.5 C4.2@41.58,30.5 41.575,30.495 v1(41.575,29.772) ; U1.10@39.8,32.825 40.915,32.825 ; C2.2@41.58,32.5 41.58,32.51 41.53,32.56 41.502,32.56 41.237,32.825 40.915,32.825 ; v1(41.624,34.196) 41.624,33.544 C1.2@41.58,33.5 41.58,33.49 40.915,32.825
  Bottom Layer w0.15: IC1.22@23.782,17.345 23.791,17.336 24.091,17.336 24.87,16.556 24.87,14.965 24.75,14.845 v1(24.75,14.75)
  Bottom Layer w0.3: IC1.6@20.632,15.195 20.632,12.956 22.093,11.495 v1(22.5,11.495)
  other v1: 19.813,27.05
  other v2: 15.25,18.25
VLED: C8.2 C10.2 C11.2 C15.2 C16.2 C18.2 C19.2 C45.2 GR1.1 GR2.1 IC1.18 IC6.1 RED/IR.1 SB15.2 | length 21.3
  Top Layer w0.3: C19.2@16.75,11.25 16.76,11.25 17.902,12.392 v1(17.92,12.392) 17.928,12.384 17.928,11.258 C18.2@17.936,11.25 ; IC6.1@20.4,30.915 20.425,30.94 20.425,31.165 20.725,31.465 21.065,31.465 v1(21.103,31.504) 21.142,31.465 21.585,31.465 22.29,30.76 C45.2@22.29,30.75 ; v1(21.728,20.925) 21.728,20.871 21.839,20.76 21.839,20.081 C8.2@21.92,20 21.92,19.99 22.273,19.637 22.273,19.387 v1(22.34,19.32) ; v1(26.85,13.25) 26.858,13.242 v1@26.858,13.089 ; v1(26.85,14) 26.85,14.054 27.068,14.272 27.068,14.348 27.701,14.981 C15.2@27.701,14.991 ; 27.143,14.375 27.701,13.817 C16.2@27.701,13.807 ; v1(27.175,23.25) 27.137,23.212 27.137,22.61 27.075,22.549 27.075,22.249 27.912,21.411 SB15.2@27.912,20.75 ; C11.2@27.701,11.439 27.701,11.449 26.858,12.292 v1@26.858,13.089 ; C10.2@27.701,12.623 27.701,12.633 27.551,12.783 27.163,12.783 v1@26.858,13.089
  Bottom Layer w0.3: GR2.1@17.554,14.461 17.554,13.636 17.92,13.271 v1(17.92,12.392) ; v1(22.34,19.32) 22.632,19.028 IC1.18@22.632,18.695 ; GR1.1@26.054,14.461 26.389,14.461 v1(26.85,14) ; v1(26.85,13.25) 27.475,13.875 27.612,13.875 RED/IR.1@28.198,14.461
VREF: C40.2 IC3.D1 | length 4.1
  Top Layer w0.3: IC3.D1@15.25,17.25 15.25,16.662 17.59,14.322 17.59,14.32 17.74,14.17 C40.2@17.75,14.17
VSYS: C43.2 IC5.C1 IC5.C2 IC5.C3 IC5.D5 SB9.2 SB10.2 | length 21
  Top Layer w0.15: IC5.C3@32.6,15.9 IC5.C2@32.6,15.5 IC5.C1@32.6,15.1 32.6,13.77 C43.2@32.58,13.75 32.598,13.732 33.195,13.732 v1(33.213,13.714) ; IC5.D5@33,16.7 33,17.514 33.087,17.6 v1(33.087,17.695)
  Top Layer w0.55: SB10.2@41.736,16.253 41.736,16.637 v1(42.182,17.083) 41.736,17.529 SB9.2@41.736,17.999
  Bottom Layer w0.55: v1(33.087,17.695) 33.081,17.689 33.081,13.846 v1(33.213,13.714) ; v1@33.09,17.699 33.09,18.683 33.413,19.005 40.26,19.005 v1(42.182,17.083)
pads on no net: AC1.6 IC1.1 IC1.9 IC1.14 IC1.15 IC1.16 IC1.17 IC1.27 IC1.34 IC3.C2 IC5.A2 IR/RED.1 J1.7 J1.8 J2.4 J2.6 J2.7 J2.8 J2.9 J2.10 J2.11 J3.MP1 J3.MP2 J5.MH1 J5.MH2 RST.G1 S1.3 S1.MH1 S1.MH2 S1.MP1 S1.MP2 S1.MP3 S1.MP4 U1.13 U1.28 U1.29

## Polygon pours and split planes (outlines as drawn)
GND on Top Layer "GND_L01_P020" (solid, remove dead copper, pour order 20): 0.75,0 cw(c0.75,0.75) 0,0.75 0,38 cw(c0.75,38) 0.75,38.75 4.75,38.75 cw(c4.75,38) 5.5,38 5.5,36 ccw(c6.25,36) 6.25,35.25 28.25,35.25 30.5,37.5 41,37.5 42.25,36.25 57.5,36.25 60.5,33.25 60.5,5.75 57.5,2.75 38.5,2.75 cw(c38.5,3.5) 37.75,3.5 ccw(c37,3.5) 37,4.25 29.75,4.25 ccw(c29.75,3.5) 29,3.5 cw(c28.25,3.5) 28.25,2.75 26,2.75 cw(c25.25,2.75) 25.25,2 cw(c25.25,2.75) 24.5,2.75 24,2.75 cw(c23.25,2.75) 23.25,2 cw(c23.25,2.75) 22.5,2.75 22,2.75 cw(c21.25,2.75) 21.25,2 cw(c21.25,2.75) 20.5,2.75 20,2.75 cw(c19.25,2.75) 19.25,2 cw(c19.25,2.75) 18.5,2.75 18,2.75 cw(c17.25,2.75) 17.25,2 cw(c17.25,2.75) 16.5,2.75 16,2.75 cw(c15.25,2.75) 15.25,2 cw(c15.25,2.75) 14.5,2.75 14,2.75 cw(c13.25,2.75) 13.25,2 cw(c13.25,2.75) 12.5,2.75 12,2.75 cw(c11.25,2.75) 11.25,2 cw(c11.25,2.75) 10.5,2.75 10,2.75 cw(c9.25,2.75) 9.25,2 cw(c9.25,2.75) 8.5,2.75 8,2.75 cw(c7.25,2.75) 7.25,2 cw(c7.25,2.75) 6.5,2.75 6.25,2.75 ccw(c6.25,2) 5.5,2 5.5,0.75 cw(c4.75,0.75) 4.75,0
GND on Top Layer "GND_L01_P007" (solid, pour order 7): 34.331,33.25 35.026,33.25 35.026,32 36.332,32 36.332,33.25 37.019,33.25 37.019,30.5 37.75,30.5 37.75,29.703 36.603,29.703 36.603,28.095 37.75,28.095 37.75,27.402 36.603,27.402 36.603,26.25 34.75,26.25 34.75,27.402 33.604,27.402 33.604,28.095 34.75,28.095 34.75,29.703 33.604,29.703 33.604,30.4 34.331,30.4
VDD on Int2 (PWR) "VDD_L03_P019" (solid, remove dead copper, pour order 19): 0.75,0 cw(c0.75,0.75) 0,0.75 0,38 cw(c0.75,38) 0.75,38.75 4.75,38.75 cw(c4.75,38) 5.5,38 5.5,36 ccw(c6.25,36) 6.25,35.25 28.25,35.25 30.5,37.5 41,37.5 42.25,36.25 57.5,36.25 60.5,33.25 60.5,5.75 57.5,2.75 38.5,2.75 cw(c38.5,3.5) 37.75,3.5 ccw(c37,3.5) 37,4.25 29.75,4.25 ccw(c29.75,3.5) 29,3.5 cw(c28.25,3.5) 28.25,2.75 26,2.75 cw(c25.25,2.75) 25.25,2 cw(c25.25,2.75) 24.5,2.75 24,2.75 cw(c23.25,2.75) 23.25,2 cw(c23.25,2.75) 22.5,2.75 22,2.75 cw(c21.25,2.75) 21.25,2 cw(c21.25,2.75) 20.5,2.75 20,2.75 cw(c19.25,2.75) 19.25,2 cw(c19.25,2.75) 18.5,2.75 18,2.75 cw(c17.25,2.75) 17.25,2 cw(c17.25,2.75) 16.5,2.75 16,2.75 cw(c15.25,2.75) 15.25,2 cw(c15.25,2.75) 14.5,2.75 14,2.75 cw(c13.25,2.75) 13.25,2 cw(c13.25,2.75) 12.5,2.75 12,2.75 cw(c11.25,2.75) 11.25,2 cw(c11.25,2.75) 10.5,2.75 10,2.75 cw(c9.25,2.75) 9.25,2 cw(c9.25,2.75) 8.5,2.75 8,2.75 cw(c7.25,2.75) 7.25,2 cw(c7.25,2.75) 6.5,2.75 6.25,2.75 ccw(c6.25,2) 5.5,2 5.5,0.75 cw(c4.75,0.75) 4.75,0
VLED on Int2 (PWR) "Int2 (PWR)-VLED" (solid, pour order 9): 16.004,11.5 18.5,11.5 29.174,12.75 29.174,14.502 22.299,14.502 22.299,22.25 27.75,22.25 27.75,23.75 22.299,23.75 22.299,31.75 21,31.75 20.938,14.502 16.004,14.502
GND on Int1 (GND) "GND_L02_P018" (solid, remove dead copper, pour order 18): 0.75,0 cw(c0.75,0.75) 0,0.75 0,38 cw(c0.75,38) 0.75,38.75 4.75,38.75 cw(c4.75,38) 5.5,38 5.5,36 ccw(c6.25,36) 6.25,35.25 28.25,35.25 30.5,37.5 41,37.5 42.25,36.25 57.5,36.25 60.5,33.25 60.5,5.75 57.5,2.75 38.5,2.75 cw(c38.5,3.5) 37.75,3.5 ccw(c37,3.5) 37,4.25 29.75,4.25 ccw(c29.75,3.5) 29,3.5 cw(c28.25,3.5) 28.25,2.75 26,2.75 cw(c25.25,2.75) 25.25,2 cw(c25.25,2.75) 24.5,2.75 24,2.75 cw(c23.25,2.75) 23.25,2 cw(c23.25,2.75) 22.5,2.75 22,2.75 cw(c21.25,2.75) 21.25,2 cw(c21.25,2.75) 20.5,2.75 20,2.75 cw(c19.25,2.75) 19.25,2 cw(c19.25,2.75) 18.5,2.75 18,2.75 cw(c17.25,2.75) 17.25,2 cw(c17.25,2.75) 16.5,2.75 16,2.75 cw(c15.25,2.75) 15.25,2 cw(c15.25,2.75) 14.5,2.75 14,2.75 cw(c13.25,2.75) 13.25,2 cw(c13.25,2.75) 12.5,2.75 12,2.75 cw(c11.25,2.75) 11.25,2 cw(c11.25,2.75) 10.5,2.75 10,2.75 cw(c9.25,2.75) 9.25,2 cw(c9.25,2.75) 8.5,2.75 8,2.75 cw(c7.25,2.75) 7.25,2 cw(c7.25,2.75) 6.5,2.75 6.25,2.75 ccw(c6.25,2) 5.5,2 5.5,0.75 cw(c4.75,0.75) 4.75,0
GND on Bottom Layer "GND_L04_P021" (solid, remove dead copper, pour order 21): 0.75,0 cw(c0.75,0.75) 0,0.75 0,38 cw(c0.75,38) 0.75,38.75 4.75,38.75 cw(c4.75,38) 5.5,38 5.5,36 ccw(c6.25,36) 6.25,35.25 28.25,35.25 30.5,37.5 41,37.5 42.25,36.25 57.5,36.25 60.5,33.25 60.5,5.75 57.5,2.75 38.5,2.75 cw(c38.5,3.5) 37.75,3.5 ccw(c37,3.5) 37,4.25 29.75,4.25 ccw(c29.75,3.5) 29,3.5 cw(c28.25,3.5) 28.25,2.75 26,2.75 cw(c25.25,2.75) 25.25,2 cw(c25.25,2.75) 24.5,2.75 24,2.75 cw(c23.25,2.75) 23.25,2 cw(c23.25,2.75) 22.5,2.75 22,2.75 cw(c21.25,2.75) 21.25,2 cw(c21.25,2.75) 20.5,2.75 20,2.75 cw(c19.25,2.75) 19.25,2 cw(c19.25,2.75) 18.5,2.75 18,2.75 cw(c17.25,2.75) 17.25,2 cw(c17.25,2.75) 16.5,2.75 16,2.75 cw(c15.25,2.75) 15.25,2 cw(c15.25,2.75) 14.5,2.75 14,2.75 cw(c13.25,2.75) 13.25,2 cw(c13.25,2.75) 12.5,2.75 12,2.75 cw(c11.25,2.75) 11.25,2 cw(c11.25,2.75) 10.5,2.75 10,2.75 cw(c9.25,2.75) 9.25,2 cw(c9.25,2.75) 8.5,2.75 8,2.75 cw(c7.25,2.75) 7.25,2 cw(c7.25,2.75) 6.5,2.75 6.25,2.75 ccw(c6.25,2) 5.5,2 5.5,0.75 cw(c4.75,0.75) 4.75,0

## Keep-outs
Keep-Out Layer:
  circle w0.152: c57.5,32.25 r2.1
  circle w0.152: c2.75,2.75 r2.1
  circle w0.152: c57.5,6.75 r2.1
  circle w0.152: c2.75,36.25 r2.1
  lines w0.15: 6.25,35.25 cw(c6.25,36) 5.5,36 5.5,38 ccw(c4.75,38) 4.75,38.75 0.75,38.75 ccw(c0.75,38) 0,38 0,0.75 ccw(c0.75,0.75) 0.75,0 4.75,0 ccw(c4.75,0.75) 5.5,0.75 5.5,2 cw(c6.25,2) 6.25,2.75 6.5,2.75 ; 6.25,35.25 6.25,35.25 ; 6.25,35.25 28.25,35.25 30.5,37.5 41,37.5 42.25,36.25 52.5,36.25 57.5,36.25 60.5,33.25 60.5,5.75 57.5,2.75 38.5,2.75 cw(c38.5,3.5) 37.75,3.5 ccw(c37,3.5) 37,4.25 29.75,4.25 ccw(c29.75,3.5) 29,3.5 cw(c28.25,3.5) 28.25,2.75 26,2.75 cw(c25.25,2.75) 25.25,2 cw(c25.25,2.75) 24.5,2.75 24,2.75 cw(c23.25,2.75) 23.25,2 cw(c23.25,2.75) 22.5,2.75 22,2.75 cw(c21.25,2.75) 21.25,2 cw(c21.25,2.75) 20.5,2.75 20,2.75 cw(c19.25,2.75) 19.25,2 cw(c19.25,2.75) 18.5,2.75 ; 6.5,2.75 ccw(c7.25,2.75) 7.25,2 ccw(c7.25,2.75) 8,2.75 8.5,2.75 ccw(c9.25,2.75) 9.25,2 ccw(c9.25,2.75) 10,2.75 10.5,2.75 ccw(c11.25,2.75) 11.25,2 ccw(c11.25,2.75) 12,2.75 12.5,2.75 ccw(c13.25,2.75) 13.25,2 ccw(c13.25,2.75) 14,2.75 14.5,2.75 ccw(c15.25,2.75) 15.25,2 ccw(c15.25,2.75) 16,2.75 16.5,2.75 ccw(c17.25,2.75) 17.25,2 ccw(c17.25,2.75) 18,2.75 ; 6.5,2.75 ccw(c6.5,2.75) 6.5,2.75 ; 6.5,2.75 ccw(c6.5,2.75) 6.5,2.75 ; 18,2.75 18.5,2.75 ; 18,2.75 18,2.75 ; 18.5,2.75 ccw(c18.5,2.75) 18.5,2.75

## Silkscreen, mask and mechanical layers (free items; w line width, h text height)
Top Overlay:
  lines w0.15: 42.196,3.087 42.196,4.25
  text "ON" at 40.114,3.182 h0.8
  text "OFF" at 42.858,3.182 h0.8
Bottom Overlay:
  drawing of 90 lines, arcs and shapes, not listed
  text "IPG Wearable V1.0" at 42.3,29.2 h1.3
  text "Jeremy Yun" at 49.85,24.417 h0.8
  text "Dr. Sahil Shah" at 49.85,22.4 h0.8
Mechanical 1:
  circle w0.254: c50.75,19.5 r10

## Dimensions
1,36.25 to 4.5,36.25 on Dimensions
5.5,0 to 2.75,36.25 on Dimensions
2.75,2.75 to 2.75,36.25 on Dimensions
5.5,38.75 to 5.5,0 on Dimensions
57.5,32.25 to 2.75,2.75 on Dimensions
57.5,32.25 to 57.5,6.75 on Dimensions
0,0 to 60.5,5.75 on Dimensions
2.75,2.75 to 57.5,6.75 on Dimensions
0,0 to 57.5,6.75 on Dimensions